# Altium PCB LimeNet-Micro_2v0.PcbDoc (part 3 of 11) (continued)
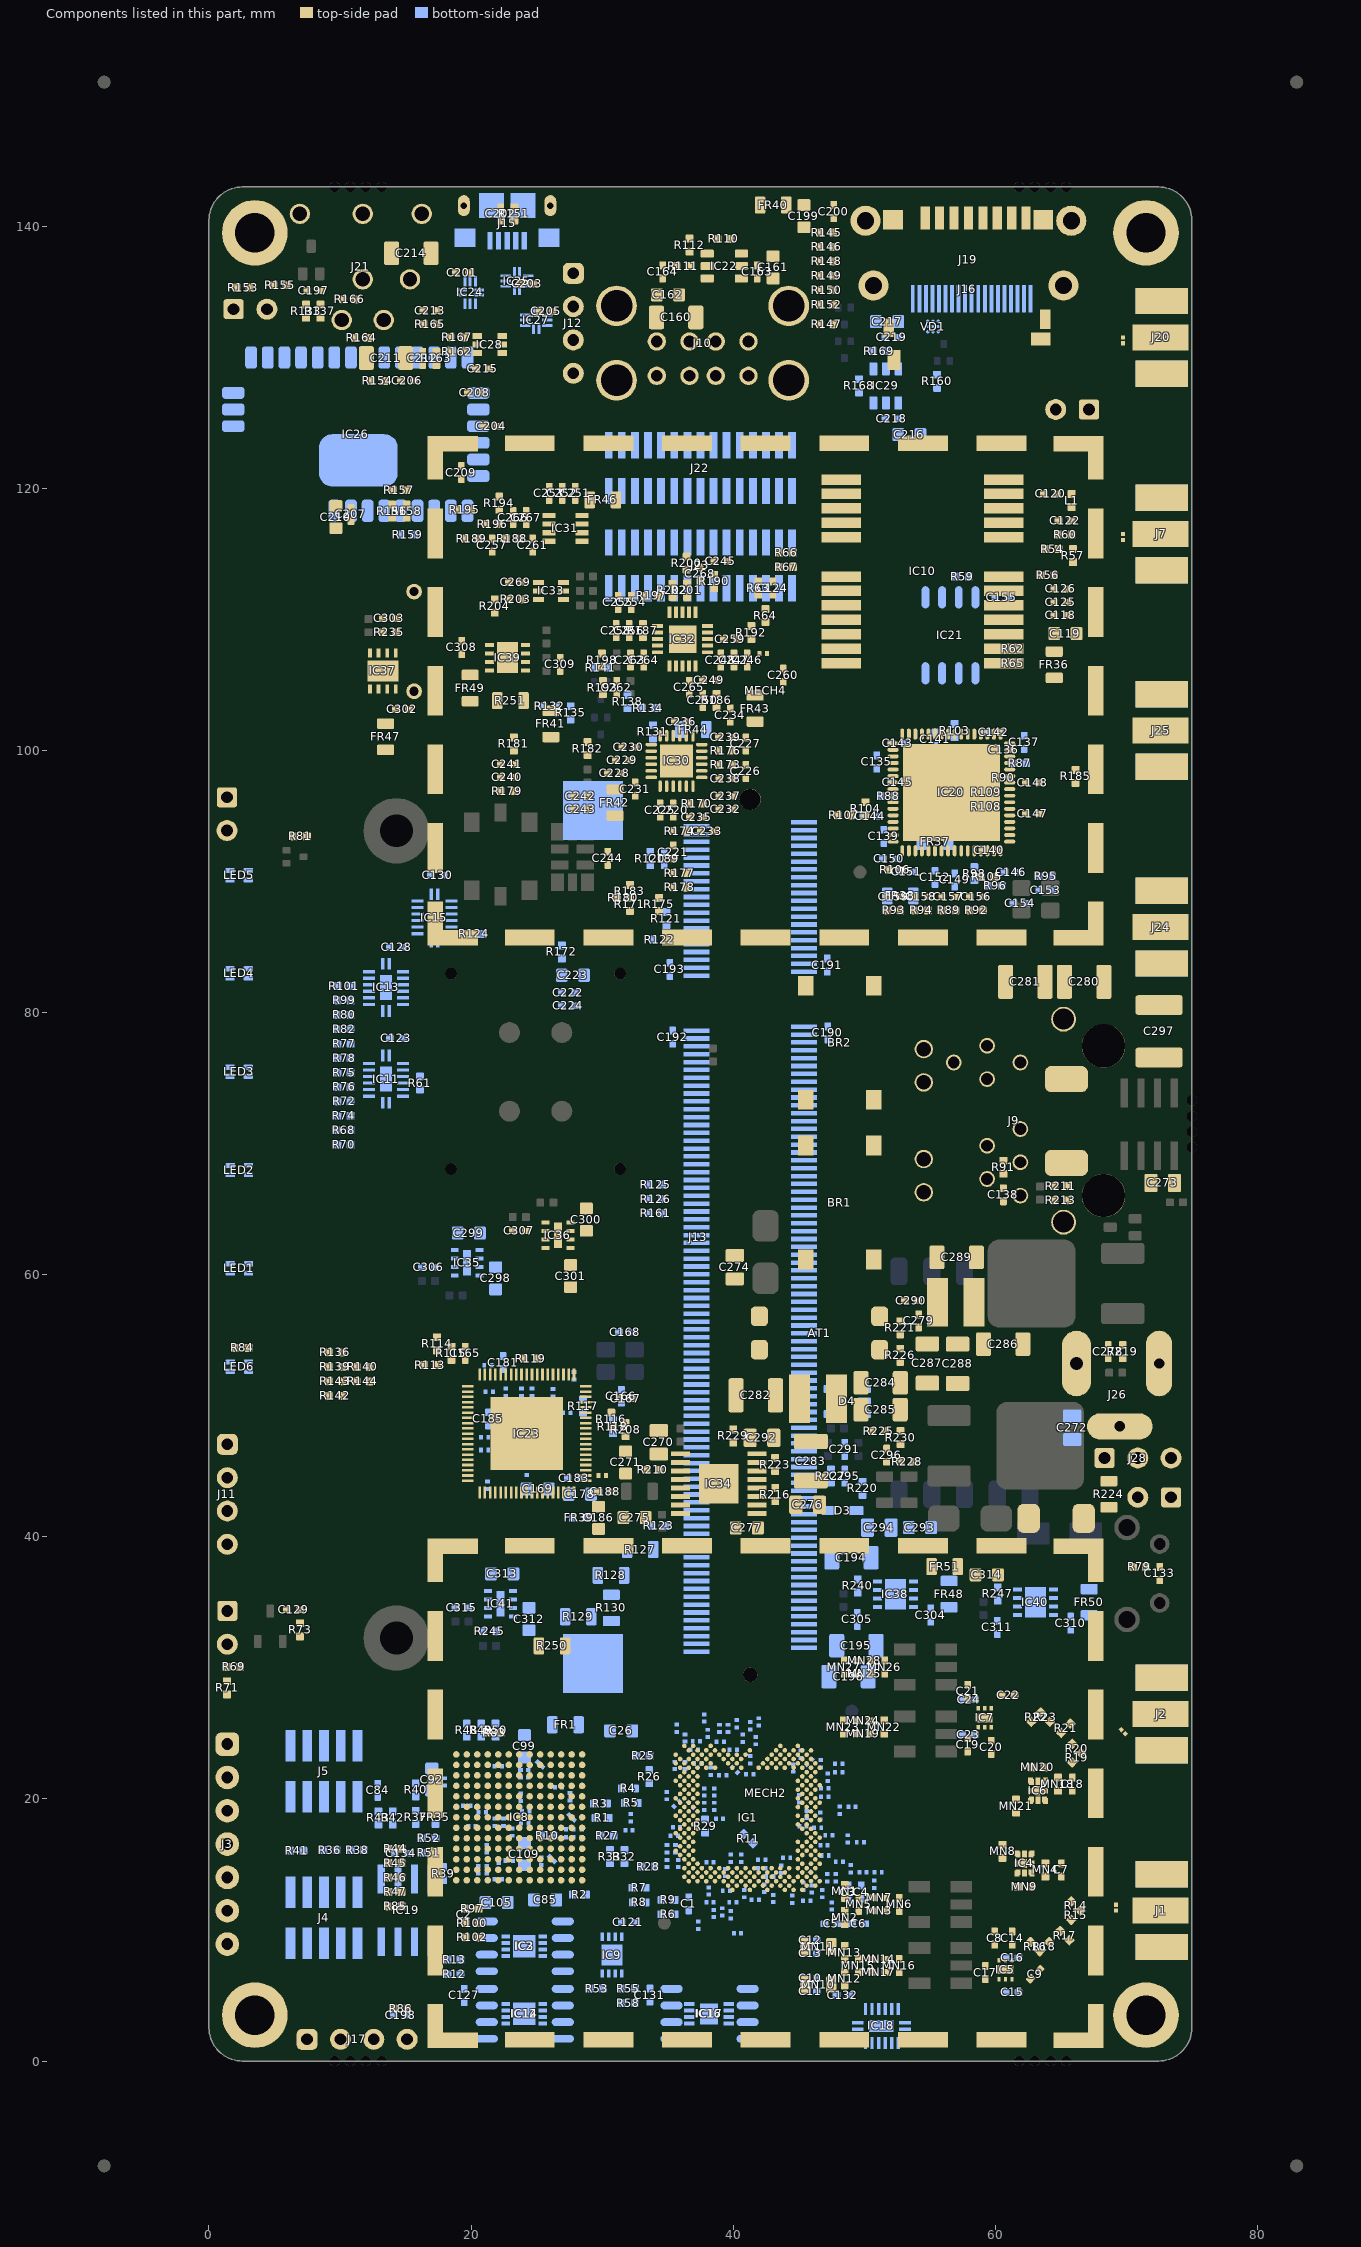
[diagram p7: the components of this part, seen from the top]
## Part data (continued)
C293: library part Cap_0603, Manufacturer="Samsung Electro-Mechanics", Manufacturer Part Number 1=CL10A105KA8NNNC, Operating Temperature="-55°C ~ 85°C", Package / Case="0603 (1608 Metric)", Ratings=-, Supplier Part Number 1=1276-1102-1-ND, Temperature Coefficient=X5R, Tolerance=±10%, Voltage - Rated=25V, Applications="General Purpose", Category=Capacitors, Features=-, Height - Seated (Max)=-, Lead Spacing=-, Lead Style=-, Mounting Type="Surface Mount, MLCC", Notification="Current market demand for these product types have resulted in fluctuating and extending lead times. Lead times may differ.", Packaging="Cut Tape (CT)", Part Description="1µF ±10% 25V Ceramic Capacitor X5R 0603 (1608 Metric)", Part Status=Active, RoHS="RoHS Compliant", Size / Dimension="0.063\" L x 0.031\" W (1.60mm x 0.80mm)", Supplier 1=Digi-Key, Thickness (Max)="0.035\" (0.90mm)"
C297: library part Cap_1206, Manufacturer=KEMET, Manufacturer Part Number 1=C1812C102KGRACTU, Operating Temperature="-55°C ~ 125°C", Package / Case="1812 (4532 Metric)", Ratings=-, Supplier Part Number 1=399-3447-1-ND, Temperature Coefficient=X7R, Tolerance=±10%, Voltage - Rated="2000V (2kV)", Applications="General Purpose", Category=Capacitors, Failure Rate=-, Features="High Voltage", Height - Seated (Max)=-, Lead Spacing=-, Lead Style=-, Mounting Type="Surface Mount, MLCC", Notification="Current market demand for these product types have resulted in fluctuating and extending lead times. Lead times may differ.", Packaging="Cut Tape (CT)", Part Description="1000pF ±10% 2000V (2kV) Ceramic Capacitor X7R 1812 (4532 Metric)", Part Status=Active, RoHS="RoHS Compliant", Size / Dimension="0.177\" L x 0.126\" W (4.50mm x 3.20mm)", Supplier 1=Digi-Key, Thickness (Max)="0.061\" (1.55mm)"
D1: library part STTH302S_diode, Average Rectified Current=3A, Case/Package=SMC, Forward Voltage=950mV, Manufacturer=STMicroelectronics, Max Forward Surge Current (Ifsm)=100A, Max Operating Temperature=175°C, Max Repetitive Reverse Voltage (Vrrm)=200V, Min Operating Temperature=-65°C, Package Quantity=1, Peak Reverse Current=3uA, Supplier Part Number 1=497-5230-6-ND, ComponentLink1Description=http://www.st.com/web/catalog/sense_power/FM64/CL830/SC4/PF70422?referrer=70032480, ComponentLink1URL=http://www.st.com/web/catalog/sense_power/FM64/CL830/SC4/PF70422?referrer=70032480, ComponentLink2Description=http://www.st.com/st-web-ui/static/active/en/resource/technical/document/datasheet/CD00002930.pdf, ComponentLink2URL=http://www.st.com/st-web-ui/static/active/en/resource/technical/document/datasheet/CD00002930.pdf, ComponentLink3Description=https://www.distrelec.biz/Web/Downloads/29/30/CD00002930.pdf?mime=application%2Fpdf, ComponentLink3URL=https://www.distrelec.biz/Web/Downloads/29/30/CD00002930.pdf?mime=application%2Fpdf, ComponentLink4Description=http://www.st.com/content/ccc/resource/technical/document/datasheet/bc/ad/88/88/7d/b3/47/3b/CD00002930.pdf/files/CD00002930.pdf/jcr:content/translations/en.CD00002930.pdf, ComponentLink4URL=http://www.st.com/content/ccc/resource/technical/document/datasheet/bc/ad/88/88/7d/b3/47/3b/CD00002930.pdf/files/CD00002930.pdf/jcr:content/translations/en.CD00002930.pdf, Current Rating=3A, Element Configuration=Single, Forward Current=3A, Height=2.45mm, Lead Free="Lead Free", Length=7.15mm, Manufacturer Part Number 1=STTH302S, Max Reverse Voltage (DC)=200V, Max Surge Current=100A, Mount="Stud,Surface Mount", Number of Pins=2, Output Current=3A, Packaging="Tape and Reel", Part Description="Diode Standard 200V 3A Surface Mount SMC", Peak Non-Repetitive Surge Current=100A, Polarity=Standard, Pricing 1="1=0.78, 10=0.683, 100=0.5237, 500=0.414, 1000=0.3312 (USD)", Radiation Hardening=No, REACH SVHC="No SVHC", Recovery Time=35ns, Reverse Recovery Time=35ns, Reverse Voltage=200V, Stock 1=8931, Supplier 1=Digi-Key, Voltage Rating (DC)=200V, Width=6.25mm
D2: library part STPS1H100A_shottky_diode, Average Rectified Current=1A, Case/Package=SMA, Forward Voltage=620mV, Manufacturer=STMicroelectronics, Max Forward Surge Current (Ifsm)=50A, Max Operating Temperature=175°C, Max Repetitive Reverse Voltage (Vrrm)=100V, Max Reverse Leakage Current=4uA, Min Operating Temperature=-65°C, Package Quantity=1, Supplier Part Number 1=497-3209-6-ND, ComponentLink1Description=https://www.distrelec.biz/Web/Downloads/13/04/CD00001304.pdf?mime=application%2Fpdf, ComponentLink1URL=https://www.distrelec.biz/Web/Downloads/13/04/CD00001304.pdf?mime=application%2Fpdf, ComponentLink2Description=http://www.st.com/content/ccc/resource/technical/document/datasheet/e8/3c/6a/07/72/b0/40/88/CD00001304.pdf/files/CD00001304.pdf/jcr:content/translations/en.CD00001304.pdf, ComponentLink2URL=http://www.st.com/content/ccc/resource/technical/document/datasheet/e8/3c/6a/07/72/b0/40/88/CD00001304.pdf/files/CD00001304.pdf/jcr:content/translations/en.CD00001304.pdf, ComponentLink3Description=http://www.farnell.com/datasheets/1690209.pdf, ComponentLink3URL=http://www.farnell.com/datasheets/1690209.pdf, Contact Plating=Matte,Tin, Current Rating=1A, Element Configuration=Single, Forward Current=1A, Height=2.03mm, Lead Free="Lead Free", Length=4.6mm, Manufacturer Part Number 1=STPS1H100A, Max Reverse Voltage (DC)=100V, Max Surge Current=50A, Mount="Surface Mount", Number of Pins=2, Output Current=1A, Packaging="Tape and Reel", Part Description="Diode Schottky 100V 1A Surface Mount SMA (DO-214AC)", Peak Non-Repetitive Surge Current=50A, Peak Reverse Current=4uA, Polarity=Standard, Pricing 1="1=0.46, 10=0.397, 100=0.2965, 500=0.23294, 1000=0.18 (USD)", Radiation Hardening=No, REACH SVHC="No SVHC", Stock 1=171196, Supplier 1=Digi-Key, Termination=SMD/SMT, Voltage Rating (DC)=100V, Weight=0.01lb, Width=2.95mm
D3: library part BAT46JFILM_shottky_diode, Base Part Number=BAT46, Capacitance @ Vr, F="10pF @ 0V, 1MHz", Current - Average Rectified (Io)="150mA (DC)", Manufacturer=STMicroelectronics, Manufacturer Part Number 1=BAT46JFILM, Operating Temperature - Junction="150°C (Max)", Package / Case="SC-76, SOD-323", Supplier Device Package=SOD-323, Supplier Part Number 1=497-6653-6-ND, Category="Discrete Semiconductor Products", ComponentLink1Description=http://www.st.com/content/ccc/resource/technical/document/datasheet/c6/32/d4/4a/28/d3/4b/11/CD00004930.pdf/files/CD00004930.pdf/jcr:content/translations/en.CD00004930.pdf, ComponentLink1URL=http://www.st.com/content/ccc/resource/technical/document/datasheet/c6/32/d4/4a/28/d3/4b/11/CD00004930.pdf/files/CD00004930.pdf/jcr:content/translations/en.CD00004930.pdf, Diode Type=Schottky, Mounting Type="Surface Mount", Packaging=Digi-Reel®, Part Description="Diode Schottky 100V 150mA (DC) Surface Mount SOD-323", Part Status=Active, Pricing 1="1=0.48, 10=0.36, 100=0.2074, 500=0.14, 1000=0.1092 (USD)", RoHS="RoHS Compliant", Speed="Small Signal =< 200mA (Io), Any Speed", Stock 1=137606, Supplier 1=Digi-Key
D4: library part TS431AILT_VREF_ADJ, Case/Package=SOT-23-5, Cathode Current=60uA, Manufacturer=STMicroelectronics, Max Input Voltage=10V, Max Operating Temperature=125°C, Max Output Current=30mA, Max Output Voltage=6V, Min Operating Temperature=-40°C, Min Output Voltage=1.228V, Package Quantity=1, Reference Voltage=1.24V, Supplier Part Number 1=497-2279-6-ND, Temperature Coefficient=100ppm/°C, Tolerance=1%, ComponentLink1Description=https://www.verical.com/server-webapp/html/getDatasheet?partID=139054, ComponentLink1URL=https://www.verical.com/server-webapp/html/getDatasheet?partID=139054, ComponentLink2Description=http://www.st.com/content/ccc/resource/technical/document/datasheet/group1/3f/2e/70/d8/11/ee/47/a9/CD00001336/files/CD00001336.pdf/jcr:content/translations/en.CD00001336.pdf, ComponentLink2URL=http://www.st.com/content/ccc/resource/technical/document/datasheet/group1/3f/2e/70/d8/11/ee/47/a9/CD00001336/files/CD00001336.pdf/jcr:content/translations/en.CD00001336.pdf, ComponentLink3Description=http://www.st.com/web/en/resource/technical/document/datasheet/CD00001336.pdf, ComponentLink3URL=http://www.st.com/web/en/resource/technical/document/datasheet/CD00001336.pdf, ComponentLink4Description=http://www.farnell.com/datasheets/1700526.pdf, ComponentLink4URL=http://www.farnell.com/datasheets/1700526.pdf, ComponentLink5Description=http://www.mouser.com/ds/2/389/ts431-957324.pdf, ComponentLink5URL=http://www.mouser.com/ds/2/389/ts431-957324.pdf, ComponentLink6Description=http://www.produktinfo.conrad.com/datenblaetter/1100000-1199999/001185084-da-01-en-IC_VREF_SHUNT_PRE_TS431AILT_SOT_23_5_STM.pdf, ComponentLink6URL=http://www.produktinfo.conrad.com/datenblaetter/1100000-1199999/001185084-da-01-en-IC_VREF_SHUNT_PRE_TS431AILT_SOT_23_5_STM.pdf, ComponentLink7Description=http://datasheet.iiic.cc/stmicroelectronics/TS431AILT.pdf, ComponentLink7URL=http://datasheet.iiic.cc/stmicroelectronics/TS431AILT.pdf, Height=1.3mm, Lead Free="Lead Free", Length=3mm, Manufacturer Part Number 1=TS431AILT, Mount="Surface Mount", Nominal Supply Current=30mA, Number of Channels=1, Number of Pins=5, Output Current=30mA, Output Voltage=6V, Packaging="Tape and Reel", Part Description="Shunt Voltage Reference IC 6V ±1% 30mA SOT-23-5", Pricing 1="1=0.62, 10=0.533, 100=0.398, 500=0.3127, 1000=0.24164 (USD)", Radiation Hardening=No, REACH SVHC="No SVHC", Reference Type=Adjustable,Shunt, Stock 1=5120, Supplier 1=Digi-Key, Termination=SMD/SMT, Width=1.75mm
ESD1 ESD2 ESD3 ESD4: Capacitance @ Frequency="0.2pF @ 1MHz", Current - Peak Pulse (10/1000µs)="3A (8/20µs)", Manufacturer="ON Semiconductor", Manufacturer Part Number=ESD8472MUT5G, Operating Temperature="-55°C ~ 150°C (TJ)", Package / Case=2-XFDFN, Power - Peak Pulse=-, Power Line Protection=No, Supplier Device Package="2-X3DFN (0.62x0.32)", Supplier Part Number 1=ESD8472MUT5GOSCT-ND, Voltage - Breakdown (Min)=7V, Voltage - Clamping (Max) @ Ipp=14V, Voltage - Reverse Standoff (Typ)="5.3V (Max)", Applications="Automotive, RF Antenna", Assembly Info=NF, Category="Circuit Protection", ComponentLink1Description=http://www.onsemi.com/pub/Collateral/ESD8472-D.PDF, ComponentLink1URL=http://www.onsemi.com/pub/Collateral/ESD8472-D.PDF, Mounting Type="Surface Mount", Packaging="Cut Tape (CT)", Part Description="TVS DIODE 5.3VWM 14VC X3DFN2", Part Status=Active, Pricing 1="1=0.39, 10=0.315, 100=0.2142, 500=0.16068, 1000=0.12051 (USD)", RoHS="RoHS Compliant", Stock 1=2295, Supplier 1=Digi-Key, Type=Zener
FR1 FR36 FR37 FR38 FR40 FR41 FR42 FR43 FR44 FR46 FR47 FR48 FR49 FR50 FR51: library part Ferrite, Current Rating=2A, DC Resistance (DCR)="100 mOhm Max", Impedance @ Frequency="600 Ohm @ 100MHz", Manufacturer="TDK Corporation", Manufacturer Part Number 1=MPZ2012S601AT000, Package / Case="0805 (2012 Metric)", Supplier Part Number 1=445-2206-2-ND, Category=Filters, Filter Type="Differential Mode - Single", Height (Max)="0.041\" (1.05mm)", Mounting Type="Surface Mount", Packaging="Tape & Reel (TR)", Part Description="FERRITE BEAD 600 OHM 0805 1LN", RoHS="RoHS Compliant", Size / Dimension="0.079\" L x 0.049\" W (2.00mm x 1.25mm)", Supplier 1=Digi-Key
  FR47: Assembly Info=NF
FR2 FR3 FR4 FR5 FR6 FR7 FR8 FR9 FR10 FR11 FR12 FR13 FR14 FR15 FR16 FR17 FR18 FR19 FR20 FR21 FR22 FR23 FR24 FR25 FR26 FR27 FR28 FR29 FR30 FR31 FR32 FR33 FR34 FR45: library part Ferrite, Current Rating=270mA, DC Resistance (DCR)="750 mOhm Max", Impedance @ Frequency="600 Ohm @ 100MHz", Manufacturer="Taiyo Yuden", Manufacturer Part Number 1=BK0603TS601-T, Package / Case="0201 (0603 Metric)", Supplier Part Number 1=587-3277-1-ND, Category=Filters, Filter Type="Differential Mode - Single", Height (Max)="0.013\" (0.33mm)", Mounting Type="Surface Mount", Packaging="Cut Tape (CT)", Part Description="FERRITE BEAD 600 OHM 0201 1LN", RoHS="RoHS Compliant", Size / Dimension="0.024\" L x 0.012\" W (0.60mm x 0.30mm)", Supplier 1=Digi-Key
FR35 FR39: library part Ferrite, Current Rating=900mA, DC Resistance (DCR)="220 mOhm Max", Impedance @ Frequency="220 Ohm @ 100MHz", Manufacturer="TDK Corporation", Manufacturer Part Number 1=MPZ1005S221ET000, Package / Case="0402 (1005 Metric)", Supplier Part Number 1=445-9329-2-ND, Category=Filters, Part Description="FERRITE BEAD 220 OHM 0402 1LN", Supplier 1=Digi-Key
IC1: library part LMS7002Mr3, "Schematic symbol revision 3. Default footprint - 0.31mm pad", Manufacturer="Lime Microsystems", Manufacturer Part Number 1=LMS7002M, Part Description="IC FPRF Transceiver LMS7002M; 261 pin aQFN", Supplier 1="Lime Microsystems", Supplier Part Number 1=LMS7002M
IC2 IC12: library part M24128-DFMC6TG, Manufacturer=STMicroelectronics, Operating Temperature="-40°C ~ 85°C (TA)", Package / Case="8-UFDFN Exposed Pad", Supplier Device Package="8-UFDFPN (2x3)", Supplier Part Number 1=497-15739-1-ND, Voltage - Supply="1.7 V ~ 5.5 V", Assembly Info=NF, Category="Integrated Circuits (ICs)", ComponentLink1Description=http://www.st.com/content/ccc/resource/technical/document/datasheet/59/05/c9/5b/7b/41/48/b6/CD00259167.pdf/files/CD00259167.pdf/jcr:content/translations/en.CD00259167.pdf, ComponentLink1URL=http://www.st.com/content/ccc/resource/technical/document/datasheet/59/05/c9/5b/7b/41/48/b6/CD00259167.pdf/files/CD00259167.pdf/jcr:content/translations/en.CD00259167.pdf, Manufacturer Part Number 1=M24128-DFMC6TG, Memory Format=EEPROM, Memory Interface=I²C, Memory Size="128Kb (16K x 8)", Memory Type=Non-Volatile, Mounting Type="Surface Mount", Packaging="Cut Tape (CT)", Part Description="EEPROM Memory IC 128Kb (16K x 8) I²C 1MHz 450ns 8-UFDFPN (2x3)", Part Status=Active, Pricing 1="1=0.35, 10=0.348, 100=0.2854, 500=0.27748, 1000=0.27004 (USD)", RoHS="RoHS Compliant", Stock 1=5894, Supplier 1=Digi-Key, Technology=EEPROM, Write Cycle Time - Word, Page=5ms
IC3 IC14: library part 24FC64F, Base Part Number=CAT24C128, Manufacturer="ON Semiconductor", Operating Temperature="-40°C ~ 85°C (TA)", Package / Case="8-SOIC (0.154\", 3.90mm Width)", Supplier Device Package=8-SOIC, Supplier Part Number 1=CAT24C128WI-GT3CT-ND, Voltage - Supply="1.8 V ~ 5.5 V", Category="Integrated Circuits (ICs)", ComponentLink1Description=http://www.onsemi.com/pub/Collateral/CAT24C128-D.PDF, ComponentLink1URL=http://www.onsemi.com/pub/Collateral/CAT24C128-D.PDF, Manufacturer Part Number 1=CAT24C128WI-GT3, Memory Format=EEPROM, Memory Interface=I²C, Memory Size="128Kb (16K x 8)", Memory Type=Non-Volatile, Mounting Type="Surface Mount", Packaging="Cut Tape (CT)", Part Description="EEPROM Memory IC 128Kb (16K x 8) I²C 1MHz 400ns 8-SOIC", Part Status=Active, Pricing 1="1=0.31, 10=0.309, 100=0.2532, 500=0.24616, 1000=0.23956 (USD)", RoHS="RoHS Compliant", Stock 1=14804, Supplier 1=Digi-Key, Technology=EEPROM, Write Cycle Time - Word, Page=5ms
IC4: library part Duplexer_taiyo_yuden_8pin, Manufacturer="Taiyo Yuden", Manufacturer Part Number 1=D5DA942M5K2S2, Part Description="RF Diplexor 880MHz ~ 915MHz / 925MHz ~ 960MHz 8-SMD, No Lead", Supplier 1="Taiyo Yuden", Supplier Part Number 1=D5DA942M5K2S2
IC5 IC7: Frequency - Lower=100MHz, Insertion Loss @ Frequency="0.9dB @ 6GHz", Isolation @ Frequency="14dB @ 6GHz (typ)", Manufacturer="Skyworks Solutions Inc.", Operating Temperature="-40°C ~ 85°C", Package / Case="6-XFDFN Exposed Pad", Supplier Device Package="6-MLPD (1.5x1.5)", Supplier Part Number 1=863-1455-1-ND, Voltage - Supply=-, Category="RF/IF and RFID", Circuit=DPDT, ComponentLink1Description=http://www.skyworksinc.com/uploads/documents/201665B.pdf, ComponentLink1URL=http://www.skyworksinc.com/uploads/documents/201665B.pdf, Features=-, IIP3="50dBm (typ)", Impedance="50 Ohm", Manufacturer Part Number 1=SKY13411-374LF, P1dB="30dBm (typ) IP1dB", Packaging="Cut Tape (CT)", Part Description="RF Switch IC 802.11a/b/g/n DPDT 50 Ohm 6-MLPD (1.5x1.5)", Part Status=Active, Pricing 1="1=0.88, 10=0.782, 100=0.6099, 500=0.50382, 1000=0.39776 (USD)", RF Type=802.11a/b/g/n, RoHS="RoHS Compliant", Stock 1=18782, Supplier 1=Digi-Key, Topology=Reflective
IC6: library part Duplexer_taiyo_yuden_8pin, Manufacturer="Taiyo Yuden", Manufacturer Part Number 1=D6DA1G842K2C4-Z, Part Description="SAW DUPLEXER, LTE, BAND 3, 1814", Supplier 1="Taiyo Yuden", Supplier Part Number 1=D6DA1G842K2C4-Z
IC8: Manufacturer=Altera, Operating Temperature="0°C ~ 85°C (TJ)", Package / Case=169-LFBGA, Supplier Device Package="169-UBGA (11x11)", Supplier Part Number 1=544-3110-ND, Voltage - Supply="2.85 V ~ 3.465 V", Category="Integrated Circuits (ICs)", Manufacturer Part Number 1=10M16SAU169C8G, Mounting Type="Surface Mount", Number of Gates=-, Number of I/O=130, Number of LABs/CLBs=1000, Number of Logic Elements/Cells=16000, Part Description="IC FPGA/CPLD NV 130 I/O 169UBGA", RoHS="RoHS Compliant", Supplier 1=Digi-Key, Total RAM Bits=562176
IC9: Manufacturer="NXP Semiconductors", Manufacturer Part Number=LM75BTP,147, Operating Temperature="-55°C ~ 125°C", Package / Case="8-WFDFN Exposed Pad", Sensing Temperature - Remote=-, Supplier Device Package="8-HWSON (2x3)", Supplier Part Number 1=568-9815-2-ND, Voltage - Supply="2.8 V ~ 5.5 V", Accuracy - Highest (Lowest)="±2°C (±3°C)", Category="Sensors, Transducers", Features="Output Switch, Programmable Limit, Shutdown Mode", Output Type=I²C, Packaging="Tape & Reel (TR)", Part Description="SENSOR TEMPERATURE I2C 8HWSON", Resolution="10 b", RoHS="RoHS Compliant", Sensing Temperature - Local="-55°C ~ 125°C", Sensor Type="Digital, Local", Supplier 1=Digi-Key, Test Condition="-25°C ~ 100°C (-55°C ~ 125°C)"
IC10: library part NEO-M8P_M8M, "GNSS engine for GPS/QZSS, GLONASS", Current - Receiving=21mA, Frequency=1.575GHz, Manufacturer=U-blox, Manufacturer Part Number 1=NEO-M8Q-0, Operating Temperature="-40°C ~ 85°C", Package / Case="24-SMD Module", Supplier Device Package=-, Supplier Part Number 1=672-1009-1-ND, Voltage - Supply="1.65 V ~ 3.6 V", Antenna Connector=-, Applications="General Purpose", Category="RF/IF and RFID", ComponentLink1Description=https://www.u-blox.com/en/product/neo-7-series, ComponentLink1URL=https://www.u-blox.com/en/product/neo-7-series, ComponentLink2Description=Datasheet, ComponentLink3Description=https://www.u-blox.com/sites/default/files/NEO-M8-FW3_DataSheet_(UBX-15031086).pdf, ComponentLink3URL=https://www.u-blox.com/sites/default/files/NEO-M8-FW3_DataSheet_(UBX-15031086).pdf, Data Interface="I2C, SPI, UART, USB", Data Rate (Max)=-, DatasheetVersion="R07 11-Nov-2014", Features=-, Memory Size=-, Modulation or Protocol="BeiDou, Galileo, GLONASS, GNSS, GPS", PackageDescription="NEO-7 series 12.2 x 16 x 2.4 mm", Packaging="Cut Tape (CT)", Part Description="IC RECEIVER GPS/GNSS 24LCC", Part Status=Active, Pricing 1="1=30.59, 10=26.65, 50=17.3, 100=13.169 (USD)", RoHS="RoHS Compliant", Sensitivity=-167dBm, Stock 1=444, Supplier 1=Digi-Key
IC11 IC13 IC15 IC18: library part 74HC595BQ,115, Manufacturer="Nexperia USA Inc.", Manufacturer Part Number 1=74AHC595BQ,115, Operating Temperature="-40°C ~ 125°C", Package / Case="16-VFQFN Exposed Pad", Supplier Device Package="16-DHVQFN (2.5x3.5)", Supplier Part Number 1=1727-6021-2-ND, Voltage - Supply="2 V ~ 5.5 V", Base Part Number=74AHC595, Category="Integrated Circuits (ICs)", ComponentLink1Description=https://assets.nexperia.com/documents/data-sheet/74AHC_AHCT595.pdf, ComponentLink1URL=https://assets.nexperia.com/documents/data-sheet/74AHC_AHCT595.pdf, Function="Serial to Parallel, Serial", Logic Type="Shift Register", Mounting Type="Surface Mount", Output Type=Tri-State, Packaging="Tape & Reel (TR)", Part Description="C 8BIT SHIFT REGISTER 16-DHVQFN", Part Status=Active, Pricing 1="3000=0.17949, 6000=0.16791, 15000=0.15633, 30000=0.14822 (USD)", RoHS="RoHS Compliant", Stock 1=24000, Supplier 1=Digi-Key
IC16: library part ATECC508A_authentication_IC, Manufacturer=Microchip, Manufacturer Part Number 1=ATECC508A-MAHDA-S, Supplier Part Number 1=ATECC508A-MAHDA-SDKR-ND, Part Description="Authentication Chip IC Networking and Communications 8-UDFN (2x3)", Pricing 1="1=0.73, 25=0.7064 (USD)", Stock 1=27941, Supplier 1=Digi-Key
IC17: library part ATECC508A_authentication_IC, Base Part Number=ATECC508, Manufacturer="Microchip Technology", Manufacturer Part Number 1=ATECC508A-SSHDA-T, Package / Case="8-SOIC (0.154\", 3.90mm Width)", Supplier Device Package=8-SOIC, Supplier Part Number 1=ATECC508A-SSHDA-TCT-ND, Applications="Networking and Communications", Assembly Info=NF, Category="Integrated Circuits (ICs)", Mounting Type="Surface Mount", Packaging="Cut Tape (CT)", Part Description="Authentication Chip IC Networking and Communications 8-SOIC", Part Status=Active, RoHS="RoHS Compliant", Supplier 1=Digi-Key, Type="Authentication Chip"
IC19: library part M25P40, Manufacturer="ISSI, Integrated Silicon Solution Inc", Manufacturer Part Number=IS25LQ040B-JNLE, Operating Temperature="-40°C ~ 105°C (TA)", Package / Case="8-SOIC (0.154\", 3.90mm Width)", Supplier Device Package=8-SOIC, Supplier Part Number 1=706-1316-ND, Voltage - Supply="2.3 V ~ 3.6 V", Category="Integrated Circuits (ICs)", Memory Format=FLASH, Memory Interface="SPI - Quad I/O", Memory Size="4Mb (512K x 8)", Memory Type=Non-Volatile, Mounting Type="Surface Mount", Packaging=Bulk, Part Description="FLASH - NOR Memory IC 4Mb (512K x 8) SPI - Quad I/O 104MHz  8-SOIC", Part Status=Active, RoHS="RoHS Compliant", Supplier 1=Digi-Key, Technology="FLASH - NOR", Write Cycle Time - Word, Page=800µs
IC20: library part LAN9514-JZX-TR, Base Part Number=LAN9514, Current - Supply=288mA, Manufacturer="Microchip Technology", Operating Temperature="0°C ~ 70°C", Package / Case="64-VFQFN Exposed Pad", Supplier Device Package="64-QFN (9x9)", Supplier Part Number 1=LAN9514-JZX-DKR-ND, Voltage - Supply="1.8V, 3.3V", Category="Integrated Circuits (ICs)", ComponentLink1Description=http://www.microchip.com/mymicrochip/filehandler.aspx?ddocname=en562340, ComponentLink1URL=http://www.microchip.com/mymicrochip/filehandler.aspx?ddocname=en562340, Function="Bridge, USB to Ethernet", Interface=USB, Manufacturer Part Number 1=LAN9514-JZX-TR, Packaging=Digi-Reel®, Part Description="Ethernet Bridge, USB to Ethernet USB 2.0, 10/100 Base-T/TX PHY USB Interface 64-QFN (9x9", Part Status=Active, Pricing 1="1=5.84, 25=4.8616, 100=4.8363 (USD)", Protocol=Ethernet, RoHS="RoHS Compliant", Standards="USB 2.0, 10/100 Base-T/TX PHY", Stock 1=3000, Supplier 1=Digi-Key
IC21: library part 93LC66AT-I/SN_EEPROM, Manufacturer="Microchip Technology", Manufacturer Part Number 1=93LC66AT-I/SN, Operating Temperature="-40°C ~ 85°C (TA)", Package / Case="8-SOIC (0.154\", 3.90mm Width)", Supplier Device Package=8-SOIC, Supplier Part Number 1=93LC66AT-I/SNDKR-ND, Voltage - Supply="2.5 V ~ 5.5 V", Assembly Info=NF, Category="Integrated Circuits (ICs)", ComponentLink1Description=http://www.microchip.com/mymicrochip/filehandler.aspx?ddocname=en011819, ComponentLink1URL=http://www.microchip.com/mymicrochip/filehandler.aspx?ddocname=en011819, Memory Format=EEPROM, Memory Interface=SPI, Memory Size="4Kb (512 x 8)", Memory Type=Non-Volatile, Mounting Type="Surface Mount", Packaging=Digi-Reel®, Part Description="EEPROM Memory IC 4Kb (512 x 8) SPI 2MHz 8-SOIC", Part Status=Active, Pricing 1="1=0.27, 25=0.2576, 100=0.2543 (USD)", RoHS="RoHS Compliant", Stock 1=6857, Supplier 1=Digi-Key, Technology=EEPROM, Write Cycle Time - Word, Page=6ms
IC22 IC29: library part AP2553W6-7, Case/Package=SOT-26, Current=2.1A, Manufacturer=Diodes, Max Operating Temperature=85°C, Max Supply Voltage=5.5V, Min Operating Temperature=-40°C, Min Supply Voltage=2.7V, On-State Resistance=70mR, Package Quantity=3000, Power Rating=340mW, Supplier Part Number 1=AP2553W6-7DIDKR-ND, Fault Protection="Over Temperature,Reverse Current", Height=1.3mm, Interface=On/Off, Lead Free="Lead Free", Length=3.1mm, Manufacturer Part Number 1=AP2553W6-7, Max Output Current=2.1A, Mount="Surface Mount", Number of Outputs=1, Number of Pins=6, Output Configuration="High Side", Packaging="Tape and Reel", Part Description="IC PD SW CURR LIMIT SOT26", Pricing 1="1=0.5, 10=0.425, 100=0.3172, 500=0.24926, 1000=0.19261 (USD)", Radiation Hardening=No, REACH SVHC="No SVHC", Stock 1=53805, Supplier 1=Digi-Key, Turn-Off Delay Time=500us, Turn-On Delay Time=1.5ms, Voltage=5.5V, Width=1.7mm
IC23: Current - Supply=-, Manufacturer="FTDI, Future Technology Devices International Ltd", Manufacturer Part Number 1=FT601Q-B-T, Operating Temperature="-40°C ~ 85°C", Package / Case="76-VFQFN Exposed Pad", Supplier Device Package="76-QFN (9x9)", Supplier Part Number 1=768-1311-ND, Voltage - Supply="1.65 V ~ 3.6 V", Category="Integrated Circuits (ICs)", Function="Bridge, USB to FIFO", Interface=FIFO, Packaging=Tray, Part Description="IC USB3-32BIT SYNC FIFO 76QFN", Protocol=USB, RoHS="RoHS Compliant", Standards="USB 3.0", Supplier 1=Digi-Key
IC24 IC25 IC27: Base Part Number=FSUSB42, Manufacturer="ON Semiconductor", On-State Resistance (Max)="6.5 Ohm", Operating Temperature="-40°C ~ 85°C (TA)", Package / Case=10-UFQFN, Supplier Device Package="10-UMLP (1.8x1.4)", Supplier Part Number 1=FSUSB42UMXCT-ND, Voltage - Supply, Dual (V±)=-, Voltage - Supply, Single (V+)="2.4 V ~ 4.4 V", -3db Bandwidth=720MHz, Applications=USB, Category="Integrated Circuits (ICs)", ComponentLink1Description=https://www.fairchildsemi.com/datasheets/FS/FSUSB42.pdf, ComponentLink1URL=https://www.fairchildsemi.com/datasheets/FS/FSUSB42.pdf, Features="Break-Before-Make, USB 2.0", Manufacturer Part Number 1=FSUSB42UMX, Multiplexer/Demultiplexer Circuit=-, Packaging="Cut Tape (CT)", Part Description="USB Switch IC 1 Channel 10-UMLP (1.8x1.4)", Part Status=Active, Pricing 1="1=0.59, 10=0.502, 100=0.3749, 500=0.29458, 1000=0.22763 (USD)", RoHS="RoHS Compliant", Stock 1=8344, Supplier 1=Digi-Key, Switch Circuit=DPDT
IC26: library part WF111-A-V1_WIFI, Manufacturer="Bluegiga Technologies", Manufacturer Part Number 1=WF111-A-V1, Max Frequency=2.472GHz, Max Operating Temperature=85°C, Min Operating Temperature=-40°C, Operating Supply Voltage=3.3V, Supplier Part Number 1=1446-1031-6-ND, Data Rate=72200Kbps, Mount="Surface Mount", Number of Channels=13, Number of Pins=33, Part Description="RF TXRX MODULE WIFI CHIP ANT", Pricing 1="1=10.23, 25=9.8484, 100=9.4695 (USD)", Stock 1=1144, Supplier 1=Digi-Key
IC28: library part NC7WZ16P6X_DUAL_BUFFER, Case/Package=SC, High Level Output Current=-32mA, Low Level Output Current=32mA, Manufacturer="ON Semiconductor / Fairchild", Max Operating Temperature=125°C, Max Power Dissipation=180mW, Max Supply Voltage=5.5V, Min Operating Temperature=-40°C, Min Supply Voltage=1.65V, Package Quantity=3000, Quiescent Current=1uA, Supplier Part Number 1=NC7WZ16P6XDKR-ND, Contact Plating=Matte,Tin, Height=1mm, Lead Free="Lead Free", Length=2mm, Logic Function=Buffer,Inverting, Manufacturer Part Number 1=NC7WZ16P6X, Mount="Surface Mount", Number of Bits=2, Number of Bits per Element=1, Number of Channels=2, Number of Circuits=2, Number of Elements=2, Number of Input Lines=2, Number of Inputs=2, Number of Output Lines=2, Number of Outputs=2, Number of Pins=6, Packaging="Tape and Reel", Part Description="Buffer, Non-Inverting 2 Element 1 Bit per Element Push-Pull Output SC-70-6", Polarity=Non-Inverting, Propagation Delay=3.8ns, Radiation Hardening=No, REACH SVHC="No SVHC", Stock 1=0, Supplier 1=Digi-Key, Termination=SMD/SMT, Turn-On Delay Time=10.6ns, Weight=0.028g, Width=1.25mm
IC30: Frequency - Max=200MHz, Manufacturer="Texas Instruments", Manufacturer Part Number 1=LMK00105SQ/NOPB, Operating Temperature="-40°C ~ 85°C", Package / Case="24-WFQFN Exposed Pad", Supplier Device Package="24-WQFN (4x4)", Supplier Part Number 1=LMK00105SQ/NOPBCT-ND, Voltage - Supply="2.375 V ~ 3.45 V", Category="Integrated Circuits (ICs)", Differential - Input:Output=Yes/No, Input="HCSL, LVCMOS, LVDS, LVPECL, LVTTL, SSTL, Crystal", Part Description="IC CLK BUFFER 2:5 200MHZ 24WQFN", Supplier 1=Digi-Key, Type="Fanout Buffer (Distribution), Multiplexer, Translator"
IC31: Manufacturer="Analog Devices Inc.", Manufacturer Part Number 1=AD5662BRJZ-2REEL7, Operating Temperature="-40°C ~ 125°C", Package / Case=SOT-23-8, Supplier Part Number 1=AD5662BRJZ-2REEL7CT-ND, Voltage - Supply, Analog="2.7 V ~ 5.5 V", Architecture="String DAC", Category="Integrated Circuits (ICs)", ComponentLink1Description=http://www.analog.com/media/en/technical-documentation/data-sheets/AD5662.pdf, ComponentLink1URL=http://www.analog.com/media/en/technical-documentation/data-sheets/AD5662.pdf, Data Interface="SPI, DSP", Differential Output=No, INL/DNL (LSB)="±8, ±1 (Max)", Number of Bits=16, Number of D/A Converters=1, Output Type="Voltage - Buffered", Packaging="Cut Tape (CT)", Part Description="IC DAC 16BIT BUFF V-OUT SOT23-8", Part Status=Active, Pricing 1="1=7.55, 10=6.821, 100=5.6469, 500=4.91722, 1000=4.28274 (USD)", Reference Type=External, RoHS="RoHS Compliant", Settling Time=10µs, Stock 1=2784, Supplier 1=Digi-Key, Supplier Device Package=SOT-23-8, Voltage - Supply, Digital="2.7 V ~ 5.5 V"
IC32: Manufacturer="Analog Devices Inc", Manufacturer Part Number 1=ADF4002BCPZ-RL7, Operating Temperature="-40°C ~ 85°C", Package / Case="20-VFQFN Exposed Pad, CSP", Supplier Part Number 1=ADF4002BCPZ-RL7CT-ND, Voltage - Supply="2.7 V ~ 3.3 V", Category="Integrated Circuits (ICs)", Differential - Input:Output=Yes/No, Input="CMOS, TTL", Mounting Type="Surface Mount", Part Description="IC PLL FREQUENCY SYNTH 20-LFCSP", Ratio - Input:Output=2:1, Supplier=Digi-Key, Supplier 1=Digi-Key, Type="Clock/Frequency Synthesizer (RF), Phase Detector"
IC33: "Single 8-Bit nanoDAC with SPI Interface in LFCSP and SC70, 2.7 to 5.5 V, <100 uA, -40 to +125 degC, KS-6, Pb-Free, Reel", Generic Part Number=AD5601, Manufacturer="Analog Devices", Supplier Part Number 1=AD5601BKSZ-REEL7TR-ND, # DAC Outputs=1, Assembly Info=NF, Code_JEDEC=MO-203-AB, ComponentLink1Description="Manufacturer URL", ComponentLink1URL=http://www.analog.com/en/index.html, ComponentLink2Description=Datasheet, ComponentLink2URL=http://www.analog.com/static/imported-files/data_sheets/AD5601_5611_5621.pdf, ComponentLink3Description="Package Specification", ComponentLink3URL=http://www.analog.com/static/imported-files/packages/PKG_PDF/SC70(KS)/KS_6.pdf, ComponentLink4Description="Product URL", ComponentLink4URL=http://www.analog.com/en/digital-to-analog-converters/da-converters/ad5601/products/product.html, DatasheetVersion=Rev.F, Max V+=5.5V, Mounting Technology="Surface Mount", Op Pwr Diss=550µW, PackageDescription="6-Lead Thin Shrink Small Outline Transistor Package [SC70]", PackageReference=KS-6, PackageVersion=072809-A, Packing=Reel, Part Description="IC DAC 8BIT BUFF V-OUT SC70-6", PartNumber=AD5601BKSZ-REEL7, Resolution (Bits)=8, RoHS=Y, Settling Time=6µs, Single Supply=Yes, Supplier 1=Digi-Key, Supplier 2=Digi-Key, Supplier 3=Digi-Key, Supplier 4=Farnell, Supplier 5=Newark, Supplier 6=Newark, Supplier 7=Mouser, Supplier Part Number 2=AD5601BKSZ-REEL7CT-ND, Supplier Part Number 3=AD5601BKSZ-REEL7DKR-ND, Supplier Part Number 4=2312971, Supplier Part Number 5=59K4256, Supplier Part Number 6=67W3160, Supplier Part Number 7=584-AD5601BKSZ-R7
IC34: Current Limit=800mA, Manufacturer=STMicroelectronics, Operating Temperature="-40°C ~ 85°C", Package / Case="16-TSSOP (0.173\", 4.40mm Width) Exposed pad", Standard Package=1,920, Supplier Device Package=16-HTSSOP, Supplier Part Number 1=497-16438-ND, Voltage - Supply=-, Applications="General Purpose", Category="Integrated Circuits (ICs)", Family="PMIC - Hot Swap, PoE Controllers", Internal Switch(s)=No, Manufacturer Part Number 1=PM8800A, Mounting Type="Surface Mount", Other Related Documents="PM8800 View All Specifications", Packaging="Tape & Reel (TR)", Part Description="Power Over Ethernet Controller 1 Channel 802.3af (PoE) 16-HTSSOP", Series=-, Supplier=Digi-Key, Type="Power Over Ethernet Controller (PoE)"
IC35 IC36 IC41: Current - Output (Max)=1A, Manufacturer="Texas Instruments", Manufacturer Part Number=LMZ10501SILR, Operating Temperature="-40°C ~ 125°C", Package / Case="8-LDFN Exposed Pad, Module", Supplier Device Package=8-uSIP, Supplier Part Number 1=296-37104-1-ND, Voltage - Input (Max)=5.5V, Voltage - Input (Min)=2.7V, Voltage - Output 1="0.6 ~ 3.6 V", Voltage - Output 2=-, Applications="ITE (Commercial)", Category="Power Supplies - Board Mount", ComponentLink1Description=http://www.ti.com/lit/ds/symlink/lmz10501.pdf, ComponentLink1URL=http://www.ti.com/lit/ds/symlink/lmz10501.pdf, Efficiency=95%, Features="OCP, OTP, UVLO", Mounting Type="Surface Mount", Packaging="Cut Tape (CT)", Part Description="n  Non-Isolated PoL Module DC DC Converter 1 Output 0.6 ~ 3.6 V 1A 2.7V - 5.5V Input", Part Status=Active, Pricing 1="1=2.46, 5=2.424, 10=2.388, 25=2.318, 50=2.2478, 100=2.1776, 250=2.1074, 500=1.96688 (USD)", RoHS="RoHS Compliant", Size / Dimension="0.12\" L x 0.10\" W x 0.03\" H (3.0mm x 2.5mm x 0.7mm)", Stock 1=26559, Supplier 1=Digi-Key, Type="Non-Isolated PoL Module", Voltage - Output 3=-
IC37: library part AP7361, Current - Limit (Min)=1.1A, Current - Output=1A, Manufacturer="Diodes Incorporated", Manufacturer Part Number=AP7361-FGE-7, Operating Temperature="-40°C ~ 85°C", Package / Case="8-UDFN Exposed Pad", Supplier Device Package=U-DFN3030-8, Supplier Part Number 1=AP7361-FGE-7DICT-ND, Voltage - Dropout (Typical)="0.5V @ 1A", Voltage - Input="2.2 V ~ 6 V", Voltage - Output="0.8 V ~ 5.5 V", Assembly Info=NF, Category="Integrated Circuits (ICs)", Mounting Type="Surface Mount", Number of Regulators=1, Packaging="Cut Tape (CT)", Part Description="IC REG LDO ADJ 1A 8DFN", Regulator Topology="Positive Adjustable", RoHS="RoHS Compliant", Supplier 1=Digi-Key
IC38 IC39 IC40: library part AP7361, Current - Limit (Min)=1.1A, Current - Output=1A, Manufacturer="Diodes Incorporated", Manufacturer Part Number 1=AP7361-FGE-7, Operating Temperature="-40°C ~ 85°C", Package / Case="8-UDFN Exposed Pad", Supplier Device Package=U-DFN3030-8, Supplier Part Number 1=AP7361-FGE-7DICT-ND, Voltage - Dropout (Typical)="0.5V @ 1A", Voltage - Input="2.2 V ~ 6 V", Voltage - Output="0.8 V ~ 5.5 V", Category="Integrated Circuits (ICs)", Mounting Type="Surface Mount", Number of Regulators=1, Packaging="Cut Tape (CT)", Part Description="IC REG LDO ADJ 1A 8DFN", Regulator Topology="Positive Adjustable", RoHS="RoHS Compliant", Supplier 1=Digi-Key
J1 J2 J7 J20 J24 J25: library part RF_IF_connector, "CONN SMA JACK STR 50OHM EDGE MNT", Dielectric Material=-, Manufacturer="RF Solutions", Manufacturer Part Number 1=CON-SMA-EDGE-S, Supplier Part Number 1=CON-SMA-EDGE-S-ND, Body Finish=-, Body Material=-, Cable Group=-, Category="Connectors, Interconnects", Center Contact Material=-, Center Contact Plating=-, ComponentLink1Description=http://media.digikey.com/pdf/Data%20Sheets/RF%20Solutions%20PDFs/CON-SMA-EDGE.pdf, ComponentLink1URL=http://media.digikey.com/pdf/Data%20Sheets/RF%20Solutions%20PDFs/CON-SMA-EDGE.pdf, Connector Style=SMA, Connector Type="Jack, Female Socket", Contact Termination=Solder, Fastening Type=Threaded, Features=-, Frequency - Max=-, Housing Color=-, Impedance=-, Includes=-, Ingress Protection=-, Insertion Loss=-, Mating Cycles=-, Mounting Feature=-, Mounting Type="Board Edge, End Launch", Operating Temperature=-, Packaging=-, Part Description="SMA Connector Jack, Female Socket Board Edge, End Launch Solder", Part Status=Active, Pricing 1="1=2.1 (USD)", RoHS="RoHS Compliant", Shield Termination=Solder, Stock 1=1751, Supplier 1=Digi-Key, Voltage Rating=-
J3: library part Header7P, "Header, 7-pin", Color=Black, Manufacturer="Sullins Connector Solutions", Manufacturer Part Number 1=PEC07SAAN, Supplier Part Number 1=S1012E-07-ND, Assembly Info=NF, Category="Connectors, Interconnects", Connector Type="Header, Unshrouded, Breakaway", Contact Finish=Tin, Contact Finish Thickness="100µin (2.54µm)", Contact Mating Length="0.230\" (5.84mm)", Contact Type="Male Pin", Fastening Type=-, Features=-, Mounting Type="Through Hole", Number of Positions=7, Number of Positions Loaded=All, Number of Rows=1, Packaging=Bulk, Part Description="7 Positions Header, Unshrouded, Breakaway Connector 0.100\" (2.54mm) Through Hole Tin", Pitch="0.100\" (2.54mm)", RoHS="RoHS Compliant", Row Spacing=-, Supplier 1=Digi-Key, Termination=Solder
J4 J5: library part "Header 5X2_SWD", "Header, 5-Pin, Dual row", Color=Black, Manufacturer="Harwin Inc", Manufacturer Part Number 1=M50-3600542, Supplier Part Number 1=952-1389-ND, Category="Connectors, Interconnects", Connector Type=Unshrouded, Contact Finish=Gold, Contact Finish Thickness="3µin (0.08µm)", Contact Mating Length="0.118\" (3.00mm)", Features=-, Height Stacking (Mating)=-, Molding Height Above Board="0.039\" (1.00mm)", Mounting Type="Surface Mount", Number of Positions=10, Number of Positions Loaded=All, Number of Rows=2, Packaging=Bulk, Part Description="CONN HDR 1.27MM SMD AU 10POS", Pitch="0.050\" (1.27mm)", RoHS="RoHS Compliant", Row Spacing="0.050\" (1.27mm)", Supplier 1=Digi-Key, Termination=Solder
J6 J8 J14 J18 J27: library part Jumper, Color=Black, Manufacturer=3M, Manufacturer Part Number 1=961102-6404-AR, Supplier Part Number 1=3M9447-ND, Category="Connectors, Interconnects", Connector Type="Header, Unshrouded", Contact Finish=Gold, Contact Type="Male Pin", Mounting Type="Through Hole", Part Description="2 Positions Header, Unshrouded Connector 0.100\" (2.54mm) Through Hole Gold", Supplier 1=Digi-Key
  J6 J27: Assembly Info=NF
J9: library part RJ45_SI-52003-F, LED Color="Green - Green", Manufacturer="Stewart Connector", Operating Temperature=-, Supplier Part Number 1=380-1119-ND, Applications="10/100 Base-T, AutoMDIX, Power over Ethernet (PoE)", Category="Connectors, Interconnects", ComponentLink1Description=https://belfuse.com/resources/StewartConnector/SI-52003-F.pdf, ComponentLink1URL=https://belfuse.com/resources/StewartConnector/SI-52003-F.pdf, Connector Type=RJ45, Contact Finish=Gold, Contact Finish Thickness="50.0µin (1.27µm)", Contact Material="Copper Alloy", Features="Board Guide", Height Above Board="0.550\" (13.97mm)", Housing Material=Thermoplastic, Manufacturer Part Number 1=SI-52003-F, Mounting Type="Through Hole", Number of Cores per Jack=4, Orientation="90° Angle (Right)", Packaging=Tray, Part Description="1 Port RJ45 Magjack Connector Through Hole 10/100 Base-T, AutoMDIX, Power over Ethernet (PoE)", Part Status=Active, Pricing 1="1=5.33, 10=5.112, 25=4.686, 50=4.473, 100=4.26, 250=3.72752, 500=3.621, 1000=3.0885, 2500=2.8755 (USD)", RoHS="RoHS Compliant", Shielding="Shielded, EMI Finger", Shield Material="Copper Alloy", Stock 1=11085, Supplier 1=Digi-Key, Tab Direction=Up, Termination=Solder
J10: library part USB_typeA_double_USBR-A-D-F-O-TH, Manufacturer=Samtec, Manufacturer Part Number 1=USBR-A-D-F-O-TH, Max Operating Temperature=85°C, Max Voltage Rating (AC)=30V, Min Operating Temperature=-50°C, Supplier Part Number 1=SAM10376-ND, Contact Material=Bronze, Contact Plating=Gold, Gender=Female, Housing Material=Thermoplastic, Mount="Through Hole", Number of Contacts=4, Number of Ports=1, Number of Terminals=4, Orientation="Right Angle", Packaging=Bulk, Part Description="USB - A USB 2.0 Receptacle Connector 8 Position Through Hole, Right Angle", Pricing 1="1=1.6, 10=1.448, 25=1.3592, 50=1.3002, 100=1.2411, 250=1.12292, 500=1.03426, 1000=0.8865, 2500=0.8274 (USD)", Radiation Hardening=No, Stock 1=2359, Supplier 1=Digi-Key, Termination=Solder
J11 J12 J17: library part Header4P, "Header, 4-pin", Current Rating=3A, Insulation Color=Black, Manufacturer="Wurth Electronics Inc.", Manufacturer Part Number=61300411121, Material Flammability Rating="UL94 V-0", Operating Temperature="-40°C ~ 125°C", Supplier Part Number 1=732-5317-ND, Voltage Rating=250V, Applications=-, Category="Connectors, Interconnects", ComponentLink1Description=http://katalog.we-online.de/em/datasheet/6130xx11121.pdf, ComponentLink1URL=http://katalog.we-online.de/em/datasheet/6130xx11121.pdf, Connector Type=Header, Contact Finish - Mating=Gold, Contact Finish - Post=-, Contact Finish Thickness - Mating=-, Contact Finish Thickness - Post=-, Contact Length - Mating="0.236\" (6.00mm)", Contact Length - Post="0.118\" (3.00mm)", Contact Material="Copper Alloy", Contact Shape=Square, Contact Type="Male Pin", Fastening Type=Push-Pull, Features=-, Ingress Protection=-, Insulation Height="0.100\" (2.54mm)", Insulation Material="Polybutylene Terephthalate (PBT)", Mated Stacking Heights=-, Mounting Type="Through Hole", Number of Positions=4, Number of Positions Loaded=All, Number of Rows=1, Overall Contact Length="0.454\" (11.54mm)", Packaging=Bulk, Part Description="4 Positions Header Connector 0.100\" (2.54mm) Through Hole Gold", Part Status=Active, Pitch - Mating="0.100\" (2.54mm)", Pricing 1="1=0.18, 10=0.153, 25=0.1272, 50=0.106, 100=0.096, 1000=0.088 (USD)", RoHS="RoHS Compliant", Row Spacing - Mating=-, Shrouding=Unshrouded, Stock 1=25204, Style="Board to Board or Cable", Supplier 1=Digi-Key, Termination=Solder
  J11 J12: Assembly Info=NF
J13: library part 1717254-1, Manufacturer="TE Connectivity AMP Connectors", Manufacturer Part Number=1717254-4, Supplier Part Number 1=A130932CT-ND, Category="Connectors, Interconnects", Connector Style=SODIMM, Contact Finish=Gold, Contact Finish Thickness=Flash, Features="Board Guide, Latches", Memory Type="DDR SDRAM", Mounting Feature="Normal, Standard - Top", Mounting Type="Surface Mount, Right Angle", Packaging="Cut Tape (CT)", Part Description="200 Position SODIMM DDR SDRAM Socket Surface Mount, Right Angle", Part Status=Active, RoHS="RoHS Compliant", Standards=-, Supplier 1=Digi-Key